# Altium PCB HSADDAModule.PcbDoc (part 4 of 5) (continued)
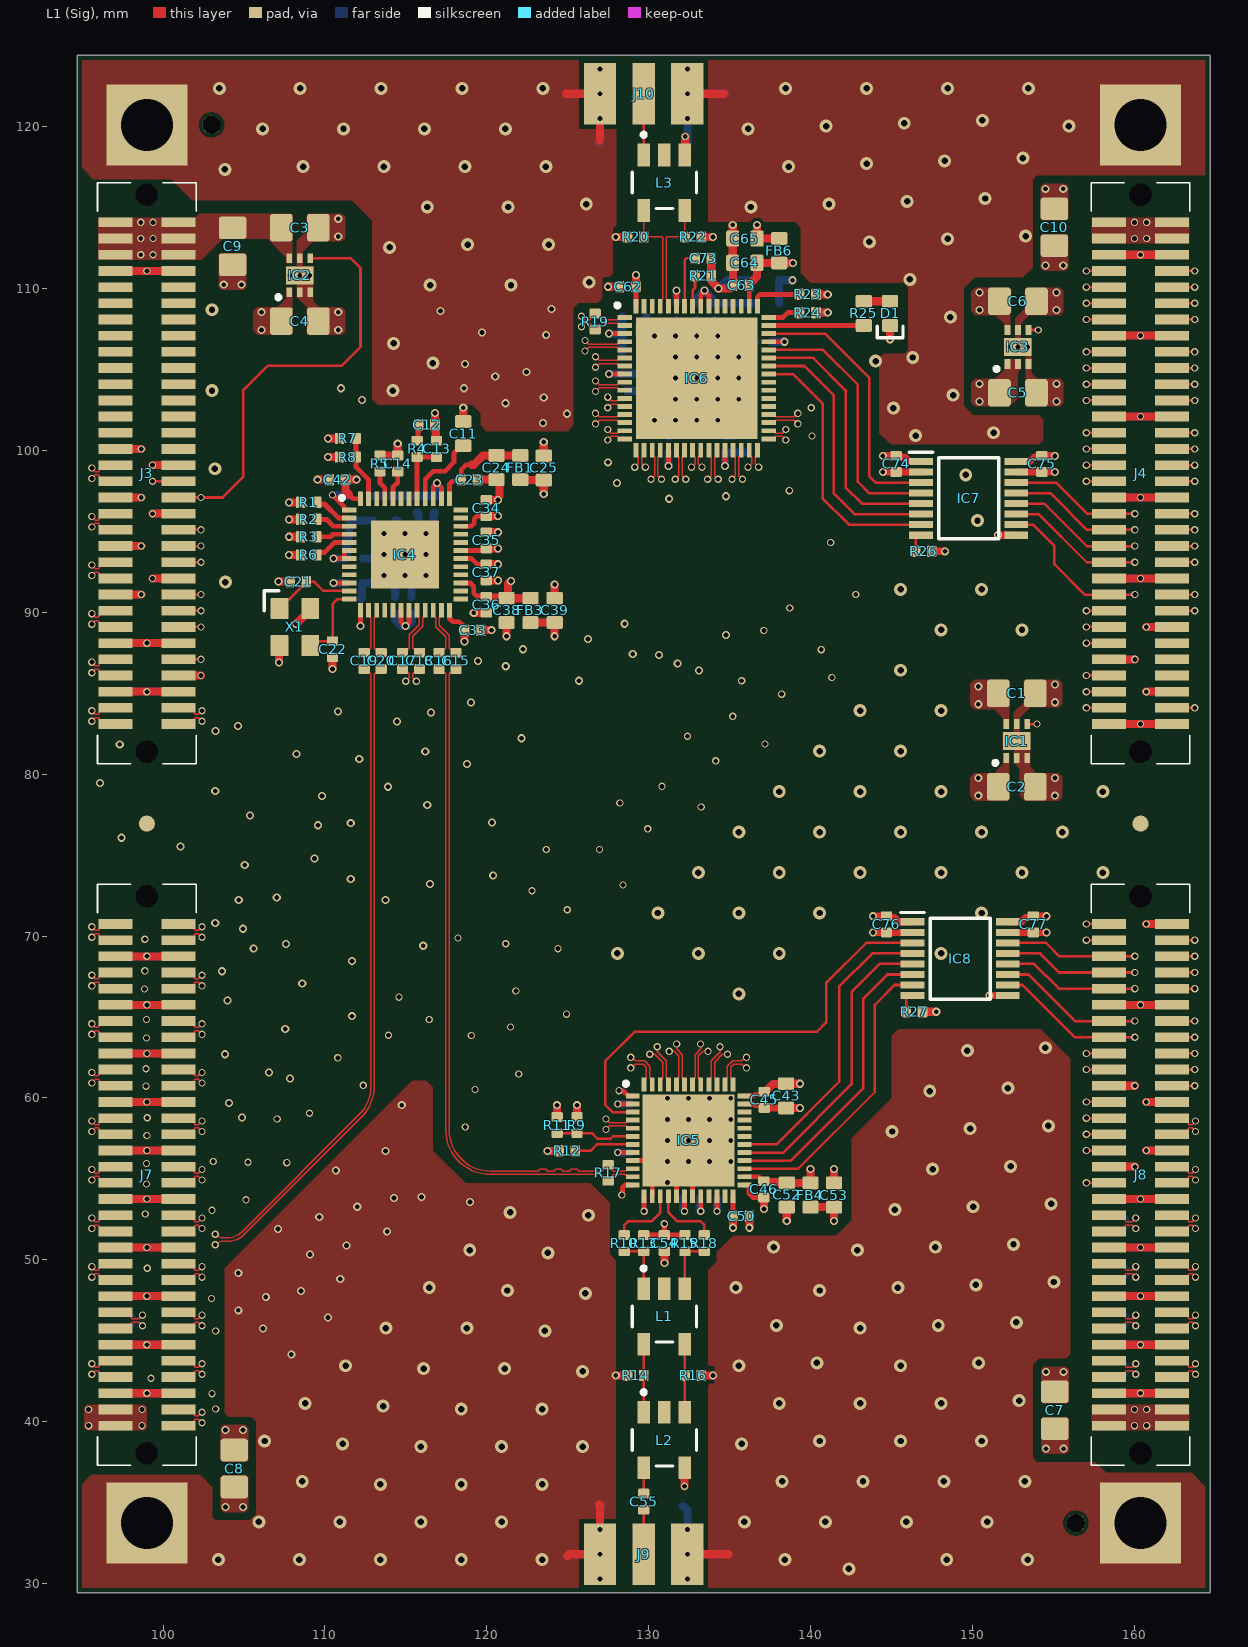
[diagram p0: L1 (Sig) view]
## Nets (pads, with @x,y where several pads share a name; then routed paths per layer and width w, separated by ;. In a path a pad name is that pad's centre, name@x,y a point inside that pad or via, vN(x,y) a via of type N, cw(c..) or ccw(c..) an arc to the next point about the centre after c; other vN are vias at no path point) (continued)
HS_DAC_CLK_P: C17.1 IC6.1 R19.2 | length 39.9
  L1 (Sig) w0.09: C17.1@114.8,86.5 115.036,86.264 115.154,86.264 115.22,86.198 115.22,85.97 v1(115,85.75) ; v1(125.85,108.3) 126.07,108.08 126.298,108.08 126.373,108.08 126.425,108.133 126.425,108.222 126.678,108.475 R19.2@126.7,108.475 126.722,108.475 126.975,108.222 126.975,108.133 127.027,108.08 127.717,108.08 128.08,108.08 128.225,108.225 IC6.1@128.525,108.225
  L3 (Sig) w0.09: v1(115,85.75) 115,85.755 115.059,85.814 ccw(c114.683,86.19) 115.215,86.19 ccw(c114.683,86.19) 115.059,86.566 113.524,88.101 cw(c114.897,89.474) 112.955,89.474 112.955,106.543 cw(c114.497,106.543) 114.497,108.085 125.635,108.085 ccw(c125.635,108.3) v1(125.85,108.3)
HS_DAC_EXTIO: C73.1 IC6.58 | length 3.5
  L1 (Sig) w0.157: IC6.58@132.225,108.925 132.225,111.783 132.317,111.875 C73.1@132.875,111.875
HS_DAC_OUT_N: IC6.60 L3.4 R22.2 | length 7.1
  L1 (Sig) w0.09: IC6.60@131.225,108.925 131.225,109.225 131.08,109.37 131.08,111.044 131.08,113.147 131.133,113.2 R22.2@132.25,113.2 132.25,114.831 L3.4@132.245,114.835
HS_DAC_OUT_P: IC6.61 L3.5 R20.1 | length 7.1
  L1 (Sig) w0.09: L3.5@129.705,114.835 129.7,114.83 R20.1@129.7,113.2 130.817,113.2 130.87,113.147 130.87,110.958 130.87,109.37 130.725,109.225 IC6.61@130.725,108.925
HS_DAC_SLEEP: IC6.49 R23.2 | length 3.2
  L1 (Sig) w0.3: IC6.49@136.725,108.925 136.725,109.474 136.901,109.65 R23.2@139.35,109.65
HS_DAC_TXEN: IC6.48 R24.2 | length 2
  L1 (Sig) w0.3: IC6.48@137.425,108.225 138.3,108.225 138.6,108.525 R24.2@139.35,108.525
HS_FPGA_CLK_C_N: C20.2 IC4.15 | length 2.9
  L1 (Sig) w0.09: IC4.15@113.2,90.125 113.2,89.825 113.055,89.68 113.055,87.802 113.121,87.736 113.239,87.736 C20.2@113.475,87.5
HS_FPGA_CLK_C_P: C19.2 IC4.14 | length 2.9
  L1 (Sig) w0.09: C19.2@112.425,87.5 112.661,87.736 112.779,87.736 112.845,87.802 112.845,89.68 112.7,89.825 IC4.14@112.7,90.125
MGT_REFCLK_0_N: J6.33 J8.33 | length 3.6
  L1 (Sig) w0.09: J8.33@162.35,54.75 163.087,54.75 163.342,55.005 163.342,55.092 163.395,55.145 163.58,55.145 v1(163.8,54.925)
  L6 (Sig) w0.09: J6.33@162.25,54.75 163.087,54.75 163.342,55.005 163.342,55.092 163.395,55.145 163.575,55.145 163.795,54.925 v1(163.8,54.925)
MGT_REFCLK_0_P: J6.31 J8.31 | length 3.6
  L1 (Sig) w0.09: J8.31@162.35,55.75 163.087,55.75 163.342,55.495 163.342,55.408 163.395,55.355 163.58,55.355 v1(163.8,55.575)
  L6 (Sig) w0.09: J6.31@162.25,55.75 163.087,55.75 163.342,55.495 163.342,55.408 163.395,55.355 163.575,55.355 163.795,55.575 v1(163.8,55.575)
MGT_REFCLK_1_N: J6.27 J8.27 | length 3.6
  L1 (Sig) w0.09: J8.27@162.35,57.75 163.087,57.75 163.342,58.005 163.342,58.092 163.395,58.145 163.58,58.145 v1(163.8,57.925)
  L6 (Sig) w0.09: J6.27@162.25,57.75 163.087,57.75 163.342,58.005 163.342,58.092 163.395,58.145 163.575,58.145 163.795,57.925 v1(163.8,57.925)
MGT_REFCLK_1_P: J6.25 J8.25 | length 3.6
  L1 (Sig) w0.09: J8.25@162.35,58.75 163.087,58.75 163.342,58.495 163.342,58.408 163.395,58.355 163.58,58.355 v1(163.8,58.575)
  L6 (Sig) w0.09: J6.25@162.25,58.75 163.087,58.75 163.342,58.495 163.342,58.408 163.395,58.355 163.575,58.355 163.795,58.575 v1(163.8,58.575)
MGT_RX_0_N: J6.39 J8.39 | length 3.6
  L1 (Sig) w0.09: J8.39@162.35,51.75 163.087,51.75 163.342,52.005 163.342,52.092 163.395,52.145 163.58,52.145 v1(163.8,51.925)
  L6 (Sig) w0.09: J6.39@162.25,51.75 163.087,51.75 163.342,52.005 163.342,52.092 163.395,52.145 163.575,52.145 163.795,51.925 v1(163.8,51.925)
MGT_RX_0_P: J6.37 J8.37 | length 3.6
  L1 (Sig) w0.09: J8.37@162.35,52.75 163.087,52.75 163.342,52.495 163.342,52.408 163.395,52.355 163.58,52.355 v1(163.8,52.575)
  L6 (Sig) w0.09: J6.37@162.25,52.75 163.087,52.75 163.342,52.495 163.342,52.408 163.395,52.355 163.575,52.355 163.795,52.575 v1(163.8,52.575)
MGT_RX_1_N: J6.45 J8.45 | length 3.6
  L1 (Sig) w0.09: J8.45@162.35,48.75 163.087,48.75 163.342,49.005 163.342,49.092 163.395,49.145 163.58,49.145 v1(163.8,48.925)
  L6 (Sig) w0.09: J6.45@162.25,48.75 163.087,48.75 163.342,49.005 163.342,49.092 163.395,49.145 163.575,49.145 163.795,48.925 v1(163.8,48.925)
MGT_RX_1_P: J6.43 J8.43 | length 3.6
  L1 (Sig) w0.09: J8.43@162.35,49.75 163.087,49.75 163.342,49.495 163.342,49.408 163.395,49.355 163.58,49.355 v1(163.8,49.575)
  L6 (Sig) w0.09: J6.43@162.25,49.75 163.087,49.75 163.342,49.495 163.342,49.408 163.395,49.355 163.575,49.355 163.795,49.575 v1(163.8,49.575)
MGT_RX_2_N: J6.51 J8.51 | length 3.6
  L1 (Sig) w0.09: J8.51@162.35,45.75 163.087,45.75 163.342,46.005 163.342,46.092 163.395,46.145 163.58,46.145 v1(163.8,45.925)
  L6 (Sig) w0.09: J6.51@162.25,45.75 163.087,45.75 163.342,46.005 163.342,46.092 163.395,46.145 163.575,46.145 163.795,45.925 v1(163.8,45.925)
MGT_RX_2_P: J6.49 J8.49 | length 3.6
  L1 (Sig) w0.09: J8.49@162.35,46.75 163.087,46.75 163.342,46.495 163.342,46.408 163.395,46.355 163.58,46.355 v1(163.8,46.575)
  L6 (Sig) w0.09: J6.49@162.25,46.75 163.087,46.75 163.342,46.495 163.342,46.408 163.395,46.355 163.575,46.355 163.795,46.575 v1(163.8,46.575)
MGT_RX_3_N: J6.57 J8.57 | length 3.6
  L1 (Sig) w0.09: J8.57@162.35,42.75 163.087,42.75 163.342,43.005 163.342,43.092 163.395,43.145 163.58,43.145 v1(163.8,42.925)
  L6 (Sig) w0.09: J6.57@162.25,42.75 163.087,42.75 163.342,43.005 163.342,43.092 163.395,43.145 163.575,43.145 163.795,42.925 v1(163.8,42.925)
MGT_RX_3_P: J6.55 J8.55 | length 3.6
  L1 (Sig) w0.09: J8.55@162.35,43.75 163.087,43.75 163.342,43.495 163.342,43.408 163.395,43.355 163.58,43.355 v1(163.8,43.575)
  L6 (Sig) w0.09: J6.55@162.25,43.75 163.087,43.75 163.342,43.495 163.342,43.408 163.395,43.355 163.575,43.355 163.795,43.575 v1(163.8,43.575)
MGT_TX_0_N: J6.40 J8.40 | length 3.8
  L1 (Sig) w0.09: J8.40@158.45,51.75 159.187,51.75 159.442,52.005 159.442,52.092 159.495,52.145 159.88,52.145 v1(160.1,51.925)
  L6 (Sig) w0.09: J6.40@158.55,51.75 159.387,51.75 159.642,52.005 159.642,52.092 159.695,52.145 159.875,52.145 160.095,51.925 v1(160.1,51.925)
MGT_TX_0_P: J6.38 J8.38 | length 3.8
  L1 (Sig) w0.09: J8.38@158.45,52.75 159.187,52.75 159.442,52.495 159.442,52.408 159.495,52.355 159.88,52.355 v1(160.1,52.575)
  L6 (Sig) w0.09: J6.38@158.55,52.75 159.387,52.75 159.642,52.495 159.642,52.408 159.695,52.355 159.875,52.355 160.095,52.575 v1(160.1,52.575)
MGT_TX_1_N: J6.46 J8.46 | length 3.8
  L1 (Sig) w0.09: J8.46@158.45,48.75 159.187,48.75 159.442,49.005 159.442,49.092 159.495,49.145 159.88,49.145 v1(160.1,48.925)
  L6 (Sig) w0.09: J6.46@158.55,48.75 159.387,48.75 159.642,49.005 159.642,49.092 159.695,49.145 159.875,49.145 160.095,48.925 v1(160.1,48.925)
MGT_TX_1_P: J6.44 J8.44 | length 3.8
  L1 (Sig) w0.09: J8.44@158.45,49.75 159.187,49.75 159.442,49.495 159.442,49.408 159.495,49.355 159.88,49.355 v1(160.1,49.575)
  L6 (Sig) w0.09: J6.44@158.55,49.75 159.387,49.75 159.642,49.495 159.642,49.408 159.695,49.355 159.875,49.355 160.095,49.575 v1(160.1,49.575)
MGT_TX_2_N: J6.52 J8.52 | length 3.8
  L1 (Sig) w0.09: J8.52@158.45,45.75 159.187,45.75 159.442,46.005 159.442,46.092 159.495,46.145 159.648,46.145 159.88,46.145 v1(160.1,45.925)
  L6 (Sig) w0.09: J6.52@158.55,45.75 159.387,45.75 159.642,46.005 159.642,46.092 159.695,46.145 159.875,46.145 160.095,45.925 v1(160.1,45.925)
MGT_TX_2_P: J6.50 J8.50 | length 3.8
  L1 (Sig) w0.09: J8.50@158.45,46.75 159.187,46.75 159.442,46.495 159.442,46.408 159.495,46.355 159.735,46.355 159.88,46.355 v1(160.1,46.575)
  L6 (Sig) w0.09: J6.50@158.55,46.75 159.387,46.75 159.642,46.495 159.642,46.408 159.695,46.355 159.875,46.355 160.095,46.575 v1(160.1,46.575)
MGT_TX_3_N: J6.58 J8.58 | length 3.8
  L1 (Sig) w0.09: J8.58@158.45,42.75 159.187,42.75 159.442,43.005 159.442,43.092 159.495,43.145 159.88,43.145 v1(160.1,42.925)
  L6 (Sig) w0.09: J6.58@158.55,42.75 159.387,42.75 159.642,43.005 159.642,43.092 159.695,43.145 159.875,43.145 160.095,42.925 v1(160.1,42.925)
MGT_TX_3_P: J6.56 J8.56 | length 3.8
  L1 (Sig) w0.09: J8.56@158.45,43.75 159.187,43.75 159.442,43.495 159.442,43.408 159.495,43.355 159.88,43.355 v1(160.1,43.575)
  L6 (Sig) w0.09: J6.56@158.55,43.75 159.387,43.75 159.642,43.495 159.642,43.408 159.695,43.355 159.875,43.355 160.095,43.575 v1(160.1,43.575)
NetC12_2: C12.2 R4.1 | length 1
  L1 (Sig) w0.3: R4.1@115.7,100.6 115.75,100.65 115.75,101.55 C12.2@115.8,101.6
NetC55_1: C55.1 L2.5 | length 1.6
  L1 (Sig) w0.157: C55.1@129.7,35.55 129.7,37.13 L2.5@129.705,37.135
NetC55_2: C55.2 J9.1 | length 2.8
  L1 (Sig) w0.157: J9.1@129.7,31.8 C55.2@129.7,34.55
NetD1_A: D1.A R25.2 | length 1.6
  L1 (Sig) w0.5: R25.2@143.3,109.225 D1.A@144.925,109.225
NetIC4_47: IC4.47 R7.1 R8.2 | length 4
  L1 (Sig) w0.3: R7.1@111.925,100.75 111.925,98.975 112.7,98.2 IC4.47@112.7,97.025
NetJ10_1: J10.1 L3.1 | length 3.8
  L1 (Sig) w0.157: J10.1@129.7,122.05 129.705,122.045 L3.1@129.705,118.264
NetL1_1: L1.1 R10.1 R13.1 | length 3.5
  L1 (Sig) w0.157: R10.1@128.5,50.525 R13.1@129.7,50.525 129.7,48.22 L1.1@129.705,48.215
NetL1_3: L1.3 R15.2 R18.1 | length 3.5
  L1 (Sig) w0.157: L1.3@132.245,48.215 132.25,48.22 R15.2@132.25,50.525 R18.1@133.45,50.525
NetL1_4: L1.4 L2.3 R16.2 | length 4.2
  L1 (Sig) w0.157: L2.3@132.245,40.564 132.25,40.569 R16.2@132.25,42.85 132.25,44.78 L1.4@132.245,44.786
NetL1_5: L1.5 L2.1 R14.1 | length 4.2
  L1 (Sig) w0.157: L2.1@129.705,40.564 129.7,40.569 R14.1@129.7,42.85 129.7,44.78 L1.5@129.705,44.786
PLL_CS: IC4.4 R3.1 | length 2.1
  L1 (Sig) w0.3: R3.1@109.5,94.675 110.35,94.675 110.5,94.825 IC4.4@111.5,94.825
PLL_LOOP_FILTER: C13.2 IC4.41 R4.2 | length 3.8
  L1 (Sig) w0.3: IC4.41@115.7,97.025 R4.2@115.7,99.6 C13.2@116.9,99.6
PLL_NRES: C14.2 IC4.44 | length 1.8
  L1 (Sig) w0.3: IC4.44@114.2,97.025 114.2,97.725 114.5,98.025 C14.2@114.5,98.7
PLL_REG_CAP: C11.1 IC4.40 | length 4.7
  L1 (Sig) w0.3: IC4.40@116.2,97.025 116.2,98.225 116.7,98.725 117.425,98.725 117.975,99.275 117.975,99.825 118.45,100.3 C11.1@118.55,100.3
PLL_SCK: IC4.5 R6.2 | length 2.3
  L1 (Sig) w0.3: R6.2@109.5,93.55 109.5,93.559 109.65,93.709 109.984,93.709 110.6,94.325 IC4.5@111.5,94.325
PLL_SDI: IC4.2 R1.1 | length 2.4
  L1 (Sig) w0.3: R1.1@109.5,96.8 109.6,96.7 109.975,96.7 110.85,95.825 IC4.2@111.5,95.825
PLL_SDO: IC4.3 R2.1 | length 2.2
  L1 (Sig) w0.3: R2.1@109.5,95.75 110.1,95.75 110.525,95.325 IC4.3@111.5,95.325
PLL_STATUS1_PIN0: IC4.45 R5.2 | length 1.8
  L1 (Sig) w0.3: R5.2@113.4,98.7 113.4,98 113.7,97.7 IC4.45@113.7,97.025
PROGRAM_B: J1.33 J3.33 | length 3.1
  L1 (Sig) w0.157: v1(99.35,98.1) J3.33@100.95,98.1
  L6 (Sig) w0.157: v1(99.35,98.1) J1.33@100.85,98.1
PS_SRST: J1.43 J3.43 | length 2.9
  L1 (Sig) w0.157: J3.43@100.95,93.1 v1(102.35,93.1)
  L6 (Sig) w0.157: J1.43@100.85,93.1 v1(102.35,93.1)
SEC_REFN: C22.1 IC4.12 X1.3 | length 4.9
  L1 (Sig) w0.157: X1.3@109.1,87.95 109.375,88.225 C22.1@110.475,88.225 110.475,90.525 110.775,90.825 IC4.12@111.5,90.825
SEC_REFP: C21.1 IC4.11 X1.1 | length 5.3
  L1 (Sig) w0.157: X1.1@107.2,90.25 107.2,90.347 107.672,90.818 107.818,90.818 108.628,91.628 108.85,91.85 C21.1@108.85,91.9 109.325,91.9 109.9,91.325 IC4.11@111.5,91.325
SHIFTER_OE1: IC7.8 R26.2 | length 1.3
  L1 (Sig) w0.157: R26.2@146.5,93.775 146.5,94.629 146.646,94.775 IC7.8@146.846,94.775
SHIFTER_OE2: IC8.8 R27.2 | length 1.3
  L1 (Sig) w0.157: R27.2@145.925,65.325 145.925,66.18 146.071,66.327 IC8.8@146.321,66.327
SPI_CS_DAC: IC6.42 IC7.6 | length 16.8
  L1 (Sig) w0.157: IC6.42@137.425,105.225 139.625,105.225 141.45,103.4 141.45,97.35 142.725,96.075 IC7.6@146.846,96.075
SPI_NRES_DAC: IC6.41 IC7.7 | length 16.7
  L1 (Sig) w0.157: IC6.41@137.425,104.725 138.925,104.725 140.75,102.9 140.75,97.05 142.375,95.425 IC7.7@146.846,95.425
SPI_SCK: IC6.43 IC7.5 | length 16.7
  L1 (Sig) w0.157: IC6.43@137.425,105.725 140.175,105.725 142.175,103.725 142.175,97.725 143.175,96.725 IC7.5@146.846,96.725
SPI_SDI: IC6.44 IC7.4 | length 16.6
  L1 (Sig) w0.157: IC6.44@137.425,106.225 140.775,106.225 142.925,104.075 142.925,98.075 143.625,97.375 IC7.4@146.846,97.375
SPI_SDO: IC6.46 IC7.3 | length 16.8
  L1 (Sig) w0.157: IC6.46@137.425,107.225 140.9,107.225 143.65,104.475 143.65,98.4 144.025,98.025 IC7.3@146.846,98.025
SYS_PG: IC1.4 IC2.4 IC3.4 J1.35 J3.35 | length 126.2
  L1 (Sig) w0.157: J3.35@100.95,97.1 v1(102.35,97.1) 103.675,97.1 104.95,98.375 104.95,103.725 106.475,105.25 111.05,105.25 112.2,106.4 112.2,111.275 111.6,111.875 IC2.4@109.1,111.875 ; IC1.4@153.4,83.1 v1(154,83.1) ; IC3.4@153.475,107.45 v1(154.075,107.45)
  L3 (Sig) w0.138: v1(102.35,97.1) 105.825,97.1 109.175,100.45 109.175,108.4 110.175,109.4 129.05,109.4 129.675,108.775 129.675,101.125 130.025,100.775 136.475,100.775 139.125,103.425 146.875,103.425 150.9,107.45 v1(154.075,107.45) 154.5,107.025 154.5,83.6 v1(154,83.1)
  L6 (Sig) w0.157: J1.35@100.85,97.1 v1(102.35,97.1)
USB_CPEN: J1.55 J3.55 | length 2.9
  L1 (Sig) w0.157: J3.55@100.95,87.1 v1(102.35,87.1)
  L6 (Sig) w0.157: J1.55@100.85,87.1 v1(102.35,87.1)
USB_HS_D_N: J1.58 J3.58 | length 3.6
  L1 (Sig) w0.09: v1(95.6,86.275) 95.82,86.495 96.005,86.495 96.058,86.442 96.058,86.355 96.313,86.1 J3.58@97.05,86.1
  L6 (Sig) w0.09: v1(95.6,86.275) 95.605,86.275 95.825,86.495 96.005,86.495 96.058,86.442 96.058,86.355 96.313,86.1 J1.58@97.15,86.1
USB_HS_D_P: J1.56 J3.56 | length 3.6
  L1 (Sig) w0.09: v1(95.6,86.925) 95.82,86.705 96.005,86.705 96.058,86.758 96.058,86.845 96.313,87.1 J3.56@97.05,87.1
  L6 (Sig) w0.09: v1(95.6,86.925) 95.605,86.925 95.825,86.705 96.005,86.705 96.058,86.758 96.058,86.845 96.313,87.1 J1.56@97.15,87.1
USB_PHY_VBUS: J1.57 J3.57 | length 2.9
  L1 (Sig) w0.5: J3.57@100.95,86.1 v1(102.35,86.1)
  L6 (Sig) w0.5: J1.57@100.85,86.1 v1(102.35,86.1)
pads on no net: IC4.8 IC4.9 IC4.16 IC4.17 IC4.25 IC4.26 IC4.28 IC4.29 IC4.32 IC4.33 IC4.35 IC4.36 IC4.42 IC4.43 IC4.46 IC5.21 IC5.23 IC5.31 IC5.32 IC5.33 IC5.34 IC6.37 IC6.38 IC6.39 IC6.40 IC6.51 IC6.52 IC6.53 IC6.54 IC6.62 IC6.63 J1.9 J1.10 J1.11 J1.12 J1.13 J1.14 J1.15 J1.16 J1.17 J1.18 J1.19 J1.20 J1.21 J1.22 J1.23 J1.24 J1.25 J1.26 J1.27 J1.28 J1.29 J1.MH1 J1.MH2 J2.53 J2.55 J2.57 J2.MH1 J2.MH2 J3.9 J3.10 J3.11 J3.12 J3.13 J3.14 J3.15 J3.16 J3.17 J3.18 J3.19 J3.20 J3.21 J3.22 J3.23 J3.24 J3.25 J3.26 J3.27 J3.28 J3.29 J4.53 J4.55 J4.57 J5.MH1 J5.MH2 J6.MH1 J6.MH2 L1.2 L2.2 L3.2

## Polygon pours and split planes (outlines as drawn)
GND on L1 (Sig) "GND_L01_P029" (solid, pour order 29): 95,124.125 95,117.475 95.7,116.775 100.5,116.775 101.8,115.475 111.65,115.475 112.925,114.2 112.925,103.175 113.275,102.825 119.1,102.825 119.625,102.3 119.625,101.55 119.975,101.2 125,101.2 125.35,101.55 125.35,108.8 125.675,109.125 126.85,109.125 127.125,109.4 127.125,110.575 127.3,110.75 127.6,110.75 127.8,110.95 127.8,113.725 128,113.925 128,119.85 125.7,119.85 125.7,124.125
GND on L1 (Sig) "GND_L01_P034" (solid, pour order 34): 164.4,29.725 164.4,35.975 163.55,36.825 158.275,36.825 157.6,37.5 154,37.5 153.75,37.75 153.75,43.5 154.15,43.9 155.8,43.9 156.05,44.15 156.05,62.425 154.225,64.25 145.425,64.25 145.025,63.85 145.025,59.975 142.55,57.5 142.55,52.425 141.6,51.475 135.225,51.475 134.225,50.475 134.225,49.875 133.7,49.35 133.7,43.525 133.775,43.45 134,43.45 134.075,43.375 134.075,42.4 134,42.325 133.825,42.325 133.7,42.2 133.7,29.725
GND on L1 (Sig) "GND_L01_P033" (solid, pour order 33): 95,29.725 95,36.125 95.575,36.7 102.3,36.7 103.05,35.95 103.05,34.1 103.25,33.9 105.35,33.9 105.75,34.3 105.75,40 105.45,40.3 104.025,40.3 103.825,40.5 103.825,49.475 108.925,54.575 115.4,61.05 116.275,61.05 116.675,60.65 116.675,56.75 118.7,54.725 126.4,54.725 127.6,53.525 127.6,50.325 127.975,49.95 127.975,34 125.7,34 125.7,29.725
GND on L1 (Sig) "GND_L01_P030" (solid, pour order 30): 133.7,124.125 133.7,119.85 133.7,114.125 139.05,114.125 139.4,113.775 139.4,110.975 140,110.375 145.775,110.375 146.05,110.1 146.05,108.625 146.05,106.2 145.825,105.975 144.525,105.975 144.25,105.7 144.25,101.075 144.95,100.375 154.125,100.375 154.4,100.65 154.4,101.9 154.125,102.175 150.075,102.175 149.475,102.775 149.475,110.025 150.15,110.7 153.125,110.7 153.725,111.3 153.725,116.725 154,117 164.4,117 164.4,124.125
+5V0 on L1 (Sig) "+5V0_L01_P027" (solid, pour order 27): 105.25,39.625 105.075,39.8 103.725,39.8 103.55,39.625 103.55,37.625 103.65,37.525 105.15,37.525 105.25,37.625
GND on L1 (Sig) "GND_L01_P026" (solid, pour order 26): 103.55,34.575 103.725,34.4 105.075,34.4 105.25,34.575 105.25,36.575 105.15,36.675 103.65,36.675 103.55,36.575
GND on L1 (Sig) "GND_L01_P025" (solid, pour order 25): 103.45,110.1 103.625,109.925 104.975,109.925 105.15,110.1 105.15,112.1 105.05,112.2 103.55,112.2 103.45,112.1
GND on L1 (Sig) "GND_L01_P024" (solid, pour order 24): 154.225,111.275 154.4,111.1 155.75,111.1 155.925,111.275 155.925,113.275 155.825,113.375 154.325,113.375 154.225,113.275
+5V0 on L1 (Sig) "+5V0_L01_P023" (solid, pour order 23): 155.925,116.325 155.75,116.5 154.4,116.5 154.225,116.325 154.225,114.325 154.325,114.225 155.825,114.225 155.925,114.325
GND on L1 (Sig) "GND_L01_P022" (solid, pour order 22): 155.95,43.225 155.775,43.4 154.425,43.4 154.25,43.225 154.25,41.225 154.35,41.125 155.85,41.125 155.95,41.225
+5V0 on L1 (Sig) "+5V0_L01_P021" (solid, pour order 21): 154.25,38.175 154.425,38 155.775,38 155.95,38.175 155.95,40.175 155.85,40.275 154.35,40.275 154.25,40.175
+1V8_ADDA on L1 (Sig) "+1V8_ADDA_L01_P020" (solid, pour order 20): 152.3,78.45 152.225,78.375 150.125,78.375 149.875,78.625 149.875,79.825 150.125,80.075 151.35,80.075 151.925,80.65 151.925,81.3 152.3,81.3
+5V0 on L1 (Sig) "+5V0_L01_P019" (solid, pour order 19): 152.275,82.8 152.275,84.1 152.325,84.15 152.325,85.75 152.225,85.85 150.125,85.85 149.875,85.6 149.875,84.275 150.125,84.025 151.35,84.025 151.925,83.45 151.925,82.8
GND on L1 (Sig) "GND_L01_P018" (solid, pour order 18): 152.575,80.7 152.95,80.325 152.95,78.675 153.25,78.375 155.35,78.375 155.55,78.575 155.55,79.875 155.35,80.075 153.95,80.075 153.575,80.45 153.575,81.5 153.6,81.5 153.6,82.6 152.925,82.6 152.925,83.5 153.575,84.15 155.35,84.15 155.55,84.35 155.55,85.65 155.35,85.85 153.275,85.85 153.175,85.75 153.175,84.425 152.575,83.825 152.575,82.6 151.9,82.6 151.9,81.5 152.575,81.5
+5V0 on L1 (Sig) "+5V0_L01_P017" (solid, pour order 17): 152.35,107.15 152.35,108.45 152.4,108.5 152.4,109.975 152.3,110.075 150.2,110.075 149.95,109.825 149.95,108.625 150.2,108.375 151.425,108.375 152,107.8 152,107.15
+3V3 on L1 (Sig) "+3V3_L01_P016" (solid, pour order 16): 153,105.05 152.8,104.85 152.8,103.225 152.65,103.075 152.3,102.725 150.2,102.725 149.95,102.975 149.95,104.175 150.2,104.425 151.425,104.425 152,105 152,105.65 153,105.65
GND on L1 (Sig) "GND_L01_P015" (solid, pour order 15): 153.25,108.775 152.65,108.175 152.65,106.95 151.975,106.95 151.975,105.85 153.3,105.85 153.3,102.75 153.325,102.725 155.425,102.725 155.625,102.925 155.625,104.225 155.425,104.425 154.025,104.425 153.65,104.8 153.65,105.85 153.675,105.85 153.675,106.95 153,106.95 153,107.85 153.525,108.375 155.425,108.375 155.625,108.575 155.625,109.875 155.425,110.075 153.475,110.075 153.25,109.85
GND on L1 (Sig) "GND_L01_P014" (solid, pour order 14): 108.875,113.575 108.275,112.975 108.275,111.375 107.6,111.375 107.6,110.275 108.275,110.275 108.275,109.475 108.875,108.875 108.875,107.225 108.95,107.15 111.05,107.15 111.25,107.35 111.25,108.65 111.05,108.85 109.65,108.85 109.275,109.225 109.275,110.275 109.3,110.275 109.3,111.375 108.625,111.375 108.625,112.275 109.275,112.925 111.05,112.925 111.25,113.125 111.25,114.425 111.05,114.625 108.975,114.625 108.875,114.525
+1V8_PLL_CLK on L1 (Sig) "+1V8_PLL_CLK_L01_P013" (solid, pour order 13): 107.975,110.075 107.975,108.775 108.025,108.725 108.025,107.25 107.925,107.15 105.825,107.15 105.575,107.4 105.575,108.6 105.825,108.85 107.05,108.85 107.625,109.425 107.625,110.075
+5V0 on L1 (Sig) "L1 (Sig)-+5V0" (solid, pour order 12): 107.975,112.95 108.025,113 108.025,114.525 107.925,114.625 102.225,114.625 102,114.4 96,114.4 96,111.8 102.4,111.8 103.675,113.075 106.475,113.075 107.625,111.925 107.625,111.575 107.975,111.575
+5V0 on L1 (Sig) "+5V0_L01_P006" (solid, pour order 6): 157.4,41.05 157.4,39.45 163.4,39.45 163.4,41.05
+5V0 on L1 (Sig) "+5V0_L01_P004" (solid, pour order 4): 157.4,114.4 157.4,112.8 163.4,112.8 163.4,114.4
+5V0 on L1 (Sig) "+5V0_L01_P000" (solid, pour order 0): 95.3,39.45 95.125,39.625 95.125,40.875 95.3,41.05 98.825,41.05 99,40.875 99,39.625 98.825,39.45 97.925,39.45
GND on L6 (Sig) "GND_L06_P049" (solid, pour order 49): 103.675,73.05 103.675,39.75 100.625,36.7 95.575,36.7 95,36.125 95,29.725 125.7,29.725 125.7,34 133.7,34 133.7,29.725 164.4,29.725 164.4,35.975 163.55,36.825 158.275,36.825 157.6,37.5 153.55,37.5 151.175,39.875 151.175,79.475 140.2,90.45 126,90.45 122.525,93.925 122.275,93.925 122.275,96.3 109.65,108.925 104.625,108.925 103.675,107.975
GND on L6 (Sig) "GND_L06_P055" (solid, pour order 55): 154.175,109.125 145.275,100.225 145.275,96.85 152.375,89.75 152.375,86.075 154.925,83.525 155.875,83.525 156.05,83.7 156.05,111.8 155.725,112.125 154.5,112.125 154.175,111.8 154.175,109.875
+5V0 on L6 (Sig) "L6 (Sig)-+5V0" (solid, pour order 54): 109.4,111.8 123.925,97.275 123.925,94.9 127.075,91.75 141.625,91.75 152.175,81.2 152.175,39.95 154.125,38 155.775,38 157.225,39.45 163.4,39.45 163.4,41.05 157.4,41.05 156.275,42.175 156.275,80.7 151.4,85.575 151.4,89.15 143.7,96.85 143.7,100.725 147.1,104.125 149.25,106.275 151.35,108.375 153.65,110.675 153.65,112.125 154.325,112.8 163.4,112.8 163.4,114.4 157.85,114.4 155.75,116.5 154.5,116.5 148.95,110.95 141.175,103.175 141.175,98.1 138.575,95.5 129.1,95.5 126.825,97.775 126.825,100.85 113.275,114.4 96,114.4 96,111.8 102,111.8
GND on L6 (Sig) "GND_L06_P050" (solid, pour order 50): 95,124.125 95,117.475 95.7,116.775 100.5,116.775 102.2,115.075 113.625,115.075 127.925,100.775 127.925,98.65 130.25,96.325 137.675,96.325 140.275,98.925 140.275,103.35 153.925,117 164.4,117 164.4,124.125 133.7,124.125 133.7,119.85 125.7,119.85 125.7,124.125
+5V0 on L6 (Sig) "+5V0_L06_P001" (solid, pour order 1): 95.3,39.45 95.125,39.625 95.125,40.875 95.3,41.05 98.825,41.05 99,40.875 99,39.625 98.825,39.45 97.925,39.45
+1V8_PLL_CLK on L5 (PWR) "+1V8_PLL_CLK_L05_P036" (solid, pour order 36): 105.575,108.6 105.575,91.825 106.575,90.825 110.675,90.825 111.2,91.35 111.2,96.675 112.2,97.675 115.375,97.675 116.175,98.475 120.9,98.475 123.075,96.3 123.075,88.45 123.7,87.825 124.8,87.825 125.375,88.4 125.375,97.525 122.4,100.5 116.525,100.5 111.65,105.375 109.05,105.375 108.025,106.4 108.025,108.1 107.275,108.85 105.825,108.85
GND on L5 (PWR) "L5 (PWR)-GND" (solid, pour order 58): 95,29.725 164.4,29.725 164.4,124.125 95,124.125 95,115.125 100.475,115.125 101.625,113.975 101.625,89.9 101.925,89.6 103.35,89.6 104.975,91.225 104.975,109.15 105.525,109.7 107.7,109.7 108.75,108.65 108.75,107.275 109.65,106.375 112.225,106.375 117.35,101.25 122.325,101.25 124.875,98.7 125.65,98.7 126.2,99.25 126.2,105.725 126.325,105.85 128.95,105.85 129.875,104.925 129.875,101.875 130.4,101.35 135.475,101.35 136.475,102.35 136.475,105.625 135.25,106.85 128.975,106.85 127.05,108.775 127.05,110.975 128.425,112.35 129.725,112.35 130.85,111.225 132.325,111.225 133.45,112.35 133.45,115.8 134.725,117.075 138.725,117.075 140.325,115.475 140.325,114.25 142.275,112.3 148.5,112.3 149.475,111.325 149.475,106.05 150.15,105.375 151.875,105.375 152.7,104.55 152.7,103.775 154.075,102.4 155.6,102.4 156.575,101.425 156.575,96.625 162.95,90.25 162.95,69.275 160.8,67.125 154.15,67.125 152.25,69.025 152.25,70.9 151.925,71.225 151.125,71.225 150.125,70.225 150.125,64.8 149.075,63.75 146.75,63.75 145.825,64.675 145.825,67.1 145.05,67.875 143.075,67.875 141.225,66.025 141.225,58.875 145.075,55.025 145.075,50.25 143.4,48.575 136.7,48.575 134.075,51.2 130.1,51.2 128.875,52.425 128.875,54.35 127,56.225 124.425,56.225 122.575,58.075 122.575,68.5 136.625,82.55 136.625,93.8 134.925,95.5 128.875,95.5 127.625,96.75 126.85,96.75 126.3,96.2 126.3,88.05 124.475,86.225 111.775,86.225 111.325,86.675 111.325,88.625 110.35,89.6 105.525,89.6 101.95,86.025 101.95,44.1 106.3,39.75 106.3,37.65 105.65,37 102.1,37 100.325,38.775 95.575,38.775 95,38.2
+3V3 on L5 (PWR) "+3V3_L05_P038" (solid, pour order 38): 151.675,102.875 153.575,100.975 155.075,100.975 156.025,100.025 156.025,95.65 162.15,89.525 162.15,69.7 160.5,68.05 154.325,68.05 153.15,69.225 153.15,74.9 153.925,75.675 156.5,75.675 157.025,76.2 157.025,90.075 152.275,94.825 152.275,97.675 147.2,102.75 147.2,106.425 143.55,110.075 138.425,110.075 138.275,110.225 138.275,110.825 138.425,110.975 147.65,110.975 148.85,109.775 148.85,105.35 149.775,104.425 151.35,104.425 151.675,104.1
GND on L5 (PWR) "GND_L05_P059" (solid, pour order 59): 141.675,104.6 145.925,100.35 145.925,96.475 146.75,95.65 148.425,95.65 149.8,94.275 149.8,92.375 149.325,91.9 146.5,91.9 145.725,91.125 145.725,84.55 149.35,80.925 151.075,80.925 151.975,80.025 151.975,76.925 152.65,76.25 155.775,76.25 156.275,76.75 156.275,89.825 151.575,94.525 151.575,97.4 146.65,102.325 146.65,105.7 142.55,109.8 141.925,109.8 141.675,109.55
+1V8_PLL_VDD on L5 (PWR) "+1V8_PLL_VDD_L05_P035" (solid, pour order 35): 121.85,88.125 121.45,87.725 112.325,87.725 111.875,88.175 111.875,90.15 112.5,90.775 118.175,90.775 119.275,91.875 119.275,95.575 119.925,96.225 121.3,96.225 121.85,95.675 121.85,92.55
+3V3_DAC on L5 (PWR) "+3V3_DAC_L05_P047" (solid, pour order 47): 131.475,110.275 131.325,110.125 131.325,109.65 131.5,109.475 133.65,109.475 133.775,109.6 133.775,110.15 133.65,110.275 131.875,110.275
+1V8_DAC on L5 (PWR) "+1V8_DAC_L05_P046" (solid, pour order 46): 139.225,111.325 139.4,111.5 139.4,114.8 138.05,116.15 135.15,116.15 134.4,115.4 134.4,109.2 133.7,108.5 129.85,108.5 129.625,108.725 129.625,111.1 129.375,111.35 128.875,111.35 128.625,111.1 128.625,108.5 129.575,107.55 134.625,107.55 135.7,108.625 135.7,114.4 136.075,114.775 138.05,114.775 138.55,114.275 138.55,111.475 138.7,111.325
+5V0 on L5 (PWR) "+5V0_L05_P044" (solid, pour order 44): 100.725,39.45 102.65,37.525 105.275,37.525 105.525,37.775 105.525,39.55 101.15,43.925 101.15,113.725 100.475,114.4 96.15,114.4 96,114.25 96,41.75 95.125,40.875 95.125,39.625 95.3,39.45 95.675,39.45
+1V8_ADC on L5 (PWR) "+1V8_ADC_L05_P043" (solid, pour order 43): 137.4,49.175 142.75,49.175 144.325,50.75 144.325,54.75 142.55,56.525 139.85,56.525 139.525,56.2 139.525,55.15 140.15,54.525 142.125,54.525 143.025,53.625 143.025,51.775 142.15,50.9 138.95,50.9 135.325,54.525 132.025,54.525 129.675,56.875 127.85,56.875 127.725,56.75 127.725,56.45 131.6,52.575 134.45,52.575 134.875,52.15 134.875,51.7